# Altium PCB 400484.PcbDoc (part 4 of 5) (continued)
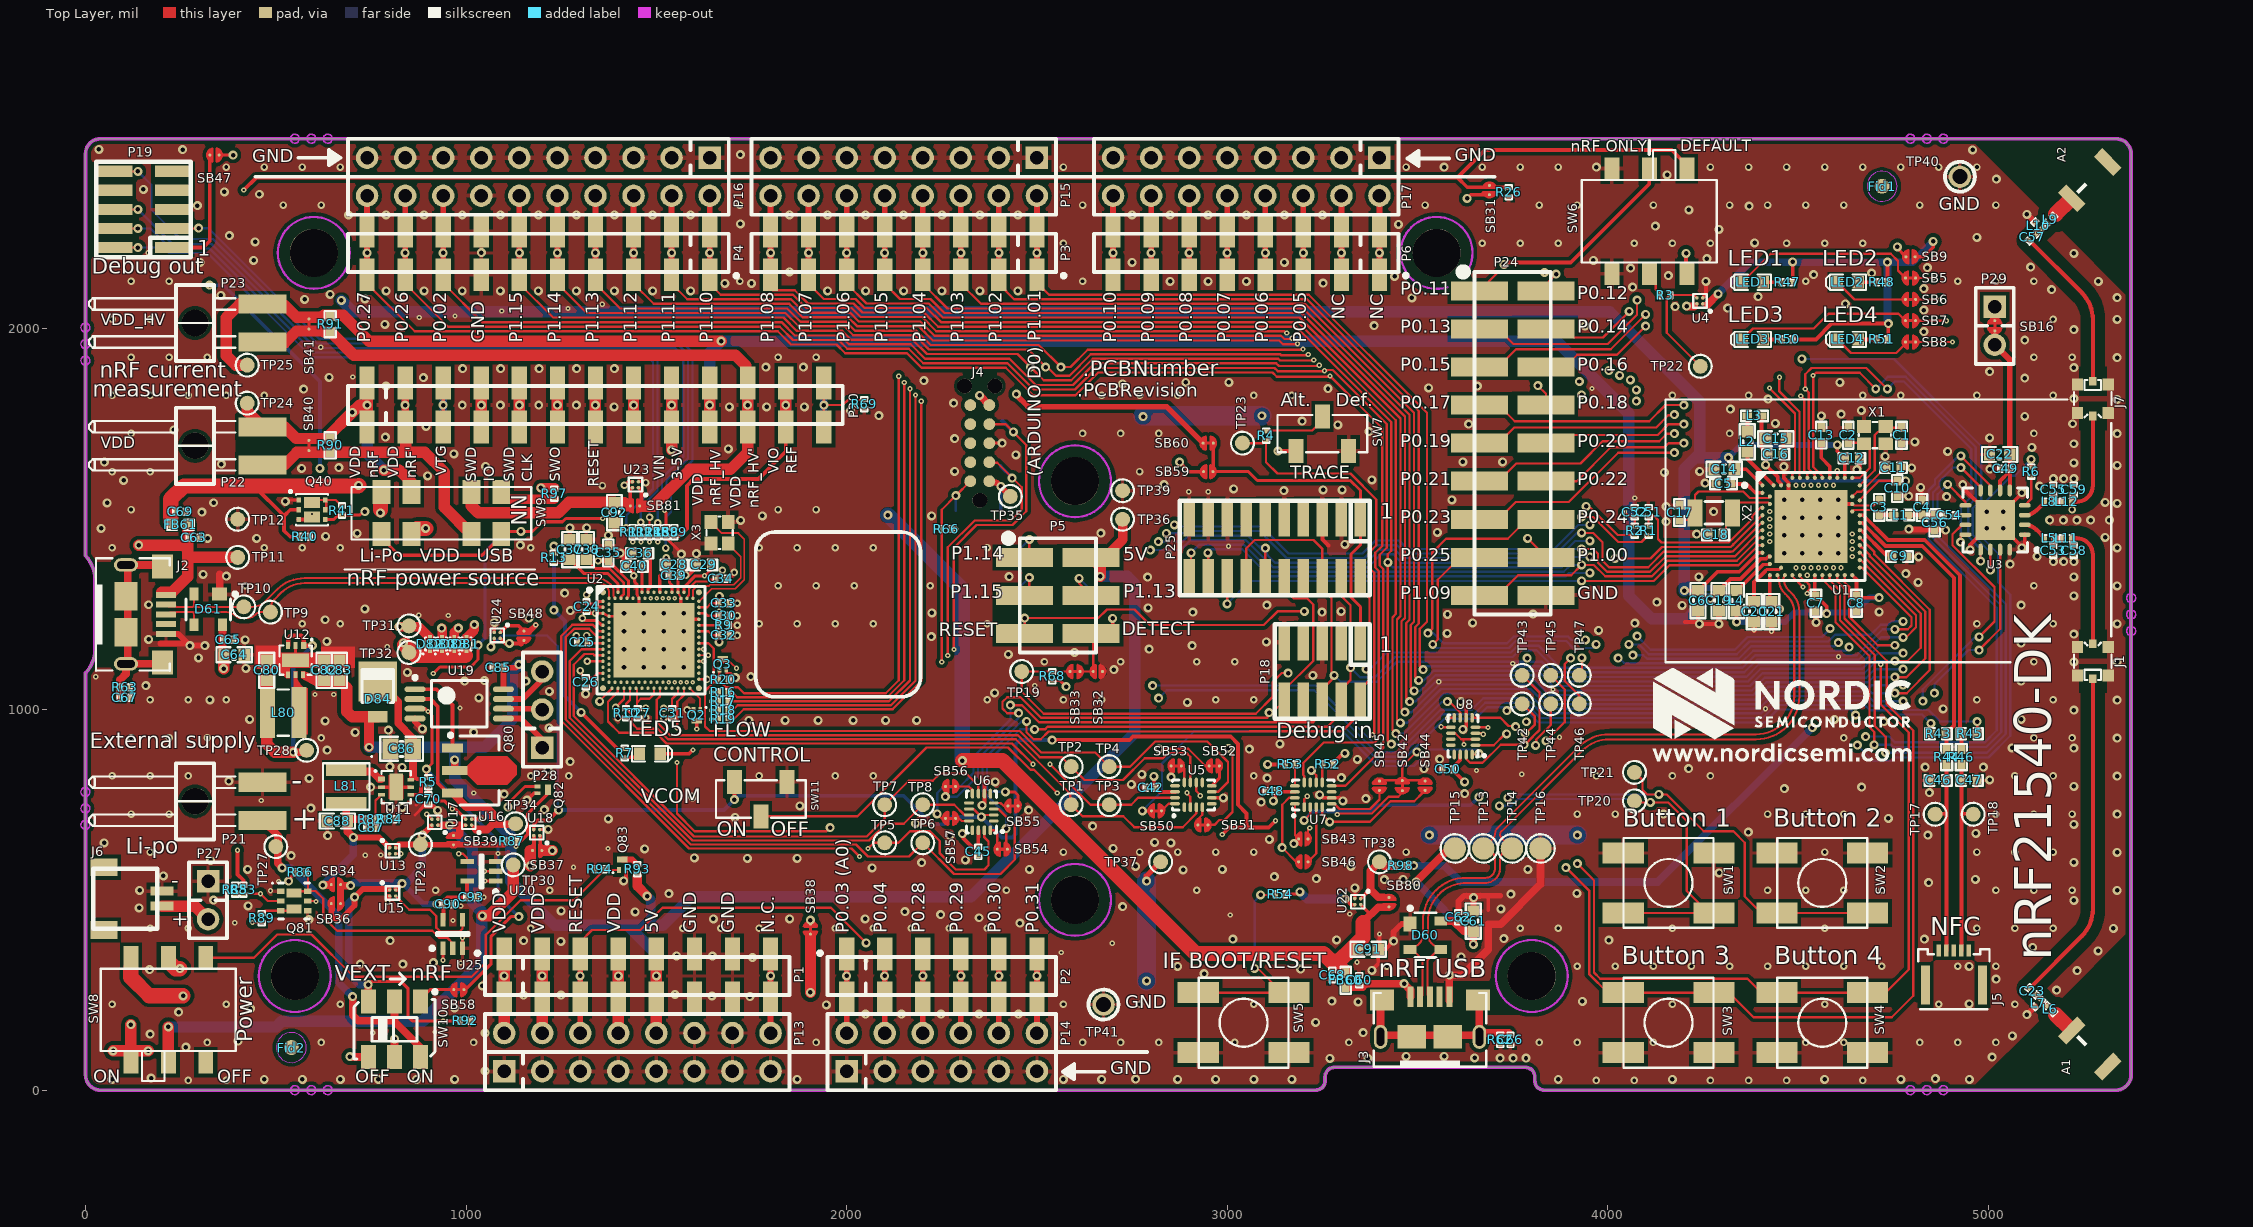
[diagram p0: Top Layer view]
## Nets (pads, with @x,y where several pads share a name; then routed paths per layer and width w, separated by ;. In a path a pad name is that pad's centre, name@x,y a point inside that pad or via, vN(x,y) a via of type N, cw(c..) or ccw(c..) an arc to the next point about the centre after c; other vN are vias at no path point) (continued)
  Top Layer w15: P14.8@2300,150 P2.4@2300,242.32 v1(2300,300) P2.4@2300,357.68
  Mid-Layer 1 w6: v1(4059,1866.3) 4065.7,1873 v3(4450.79,1873)
  Mid-Layer 2 w6: v1(2300,300) 2333,333 2513.67,333 2526.08,320.59 2727.97,320.59 2850.37,443 3501.97,443 3794.33,735.36 3794.33,857.21 3834.63,897.51 3834.63,914.63 v1(3838,918) 3851,931 3851,1066.48 3881,1096.48 3881,1187.12 4037,1343.12 4037,1343.25 4051.81,1358.06 4051.81,1410.59 4042,1420.4 4042,1849.3 v1(4059,1866.3)
  Bottom Layer w15: P8.4@2300,242.32 v1(2300,300) P8.4@2300,380
P0.30/AIN6: P2.5 P8.5 P14.10 TP46.1 U1.B9 | length 3986.5
  Top Layer w6: v1(3902,1135) 3887,1120 3887,1075 3925,1037 TP46.1@3925,1015
  Top Layer w15: P14.10@2400,150 P2.5@2400,242.32 v1(2400,300) P2.5@2400,357.68
  Mid-Layer 1 w6: v1(4075,1840.3) 4095.79,1861.09 4431.49,1861.09 4463.09,1829.49 4463.09,1730.93 4494.63,1699.4 v3(4494.63,1589.27)
  Mid-Layer 2 w6: v1(2400,300) 2421,321 2508.7,321 2521.11,308.59 2732.94,308.59 2855.34,431 3510,431 3806.33,727.33 3806.33,852.24 3863,908.91 3863,1061.51 3902,1100.51 v1(3902,1135) 3902,1191.15 4063.72,1352.86 4063.72,1415.52 4054,1425.24 4054,1822.86 4076.44,1845.3 v1@4081,1845.3
  Bottom Layer w15: P8.5@2400,242.32 v1(2400,300) P8.5@2400,380
P0.31/AIN7: P2.6 P8.6 P14.12 TP47.1 U1.A8 | length 3701.2
  Top Layer w6: TP47.1@3925,1090 3932,1097 v1(3932,1136) ; v3@4427,1842.56 4491.82,1777.74 4491.82,1624.25 4484.79,1617.22 U1.A8@4484.79,1608.95
  Top Layer w15: P14.12@2500,150 P2.6@2500,242.32 v1(2500,300) P2.6@2500,357.68
  Mid-Layer 1 w6: v1@4081,1815.3 4114.7,1849 4423,1849 v3@4427,1845
  Mid-Layer 2 w6: v1(2500,300) 2503.41,296.59 2737.91,296.59 2860.31,419 3514.97,419 3818.33,722.36 3818.33,847.27 3875,903.94 3875,1056.54 3932,1113.54 v1(3932,1136) 3932,1154.91 3920.09,1166.81 3920.09,1192.27 4049.91,1322.09 4049.91,1322.22 4075.62,1347.93 4075.62,1809.68 v1(4075,1810.3) ; v1@4078.5,1812.8 v1@4081,1815.3
  Bottom Layer w15: P8.6@2500,242.32 v1(2500,300) P8.6@2500,357.68
  other v3: 4425,1845
P1.00: P18.6 P24.16 P25.6 P25.14 SB57.1 U1.AD22 | length 4213.2
  Top Layer w6: v1(2238,726) 2250,714 2252.83,714 SB57.1@2259.7,714 ; v1(2430.42,1011.58) 2460.53,1011.58 2505.43,966.68 3225.68,966.68 3250,991 P18.6@3250,1023.23 3250,1054.04 3273.96,1078 3273.96,1293.04 3250,1317 P25.6@3250,1348.23 3250,1422 3226.47,1445.53 3072.53,1445.53 3050,1423 P25.14@3050,1348.23 ; v1(3789,1450) P24.16@3837.5,1401.5 ; U1.AD22@4622.58,1353.05 4622.58,1334.33 4634,1322.91 4634,1244.39 4709.39,1169 v1(4754,1169)
  Mid-Layer 2 w6: v1(3788,1135) 3779,1144 3779,1440 v1(3789,1450)
  Bottom Layer w6: v1(2238,726) 2238,780.97 2251.64,794.62 2294.62,794.62 2333.04,833.04 2333.04,876.01 2430.64,973.61 2430.64,1011.36 v1(2430.42,1011.58) ; v1(3280.98,1089.98) 3297.96,1073 3393,1073 3446,1126 3778,1126 ; v1(3788,1135) 3797,1126 3825.93,1126 3866.12,1085.81 4174,1085.81 4174.09,1085.91 4363.51,1085.91 4396.71,1119.11 4663.93,1119.11 4713.82,1169 v1(4754,1169)
P1.01: P3.1 P9.1 P15.2 U1.Y23 | length 3904.8
  Top Layer w6: P3.1@2500,2142.32 2500,2122 2532,2090 3214.28,2090 3524.61,1779.67 3524.61,1230.61 3506,1212 3506,1114 v1(3515,1105)
  Top Layer w15: P3.1@2500,2142.32 v1(2500,2200) P3.1@2500,2257.68 P15.2@2500,2350
  Mid-Layer 1 w6: v3(4642.27,1402.26) 4651.74,1402.26 4826,1228 4826,1170 4804,1148 v1(4776,1148)
  Bottom Layer w6: v1(3515,1105) 3524,1114 3821.1,1114 3861.19,1073.91 4239.91,1073.91 4240,1074 4368.44,1074 4401.64,1107.2 4668.86,1107.2 4709.65,1148 v1(4776,1148)
  Bottom Layer w15: P9.1@2500,2118.4 v1(2500,2200) P9.1@2500,2257.68
P1.02: P3.2 P9.2 P15.4 U1.W24 | length 4007.2
  Top Layer w6: P3.2@2400,2142.32 2400,2118 2440,2078 3209.44,2078 3503,1784.44 3503,1225.97 3494,1216.97 3494,1086 v1(3503,1077) ; U1.W24@4661.95,1412.1 4662.65,1412.1 4676.37,1398.39 4676.37,1398.21 4821.99,1252.58 4821.99,1162.54 4786.45,1127 v1(4754,1127)
  Top Layer w15: P3.2@2400,2142.32 v1(2400,2200) P3.2@2400,2257.68 P15.4@2400,2350
  Bottom Layer w6: v1(3503,1077) 3516.7,1077 3541.7,1102 3816.26,1102 3856.26,1062 4373.28,1062 4406.57,1095.3 4673.79,1095.3 4705.49,1127 v1(4754,1127)
  Bottom Layer w15: P9.2@2400,2142.32 v1(2400,2200) P9.2@2400,2257.68
P1.03: P3.3 P9.3 P15.6 U1.V23 | length 4209.6
  Top Layer w6: P3.3@2300,2142.32 2300,2119 2353,2066 3204.61,2066 3491,1779.61 3491,1230.94 3482,1221.94 3482,1058 v1(3491,1049)
  Top Layer w15: P3.3@2300,2142.32 v1(2300,2200) P3.3@2300,2257.68 P15.6@2300,2350
  Mid-Layer 1 w6: v3(4642.27,1421.94) 4649.03,1421.94 4838,1232.97 4838,1125 4819,1106 v1(4776,1106)
  Bottom Layer w6: v1(3491,1049) 3506,1049 3547,1090 3811.42,1090 3851.42,1050 4378.11,1050 4411.51,1083.39 4678.72,1083.39 4701.33,1106 v1(4776,1106)
  Bottom Layer w15: P9.3@2300,2142.32 v1(2300,2200) P9.3@2300,2257.68
P1.04: P3.4 P9.4 P15.8 U1.U24 | length 4334.8
  Top Layer w6: P3.4@2200,2142.32 2200,2119 2265,2054 3199.77,2054 3479,1774.77 3479,1235.91 3470,1226.91 3470,1030 v1(3479,1021) ; U1.U24@4661.95,1431.79 4661.95,1429.41 4664.85,1426.52 4667.92,1426.52 4688.37,1406.07 4688.37,1403.18 4833.99,1257.55 4833.99,1134.19 4784.8,1085 v1(4754,1085)
  Top Layer w15: P3.4@2200,2142.32 v1(2200,2200) P3.4@2200,2257.68 P15.8@2200,2350
  Bottom Layer w6: v1(3479,1021) 3495,1021 3552,1078 3806.59,1078 3846.59,1038 4382.95,1038 4416.44,1071.49 4683.65,1071.49 4697.16,1085 v1(4754,1085)
  Bottom Layer w15: P9.4@2200,2142.32 v1(2200,2200) P9.4@2200,2257.68
P1.05: P3.5 P9.5 P15.10 U1.T23 | length 4531.7
  Top Layer w6: P3.5@2100,2142.32 2100,2119 2140.07,2078.93 2220.49,2078.93 2257.42,2042 3194.93,2042 3467,1769.93 3467,1240.88 3458,1231.88 3458,1221 3458,1057 3458,1002 v1(3467,993)
  Top Layer w15: P3.5@2100,2142.32 v1(2100,2200) P3.5@2100,2257.68 P15.10@2100,2350
  Mid-Layer 1 w6: v3(4642.27,1441.63) 4646.31,1441.63 4711.97,1375.97 4712.06,1375.97 4806,1282.03 4806,1281.94 4850,1237.94 4850,1101.97 4812.03,1064 v1(4776,1064)
  Bottom Layer w6: v1(3467,993) 3483.97,993 3556.97,1066 3801.75,1066 3841.75,1026 4387.79,1026 4421.37,1059.58 4688.58,1059.58 4693,1064 v1(4776,1064)
  Bottom Layer w15: P9.5@2100,2142.32 v1(2100,2200) P9.5@2100,2257.68
P1.06: P3.6 P9.6 P15.12 U1.R24 | length 4665.3
  Top Layer w6: P3.6@2000,2142.32 2000,2119 2051.98,2067.02 2215.56,2067.02 2252.58,2030 3190.1,2030 3455,1765.1 3455,1245.85 3446,1236.85 3446,1225.97 3446,1225 3446,1056 3446,974 v1(3455,965) ; U1.R24@4661.95,1451.47 4662.65,1451.47 4700.37,1413.76 4700.37,1408.15 4845.99,1262.52 4845.99,1103.87 4785.13,1043 v1(4754,1043)
  Top Layer w15: P3.6@2000,2142.32 v1(2000,2200) P3.6@2000,2257.68 P15.12@2000,2350
  Bottom Layer w6: v1(3455,965) 3472.94,965 3561.94,1054 3796.91,1054 3836.91,1014 4392.62,1014 4426.3,1047.68 4689.23,1047.68 4693.91,1043 v1(4754,1043)
  Bottom Layer w15: P9.6@2000,2142.32 v1(2000,2200) P9.6@2000,2257.68
P1.07: P3.7 P9.7 P15.14 U1.P23 U8.3 | length 5121.1
  Top Layer w6: P3.7@1900,2142.32 1900,2119 1940,2079 2023.03,2079 2046.91,2055.12 2210.63,2055.12 2247.75,2018 3185.26,2018 3443,1760.26 3443,1250.82 3434,1241.82 3434,1230.94 3434,1220.03 3434,946 v1(3443,937) ; U8.3@3652.48,937.87 3669.13,937.87 v3@3673,934
  Top Layer w15: P3.7@1900,2142.32 v1(1900,2200) P3.7@1900,2257.68 P15.14@1900,2350
  Mid-Layer 1 w6: v1(3443,937) 3456,924 3663,924 v3@3673,934 ; v3(4642.27,1461.31) 4645.05,1461.31 4862,1244.37 4862,1090.35 4793.65,1022 v1(4776,1022)
  Bottom Layer w6: v1(3443,937) 3464,937 3569,1042 3792.08,1042 3832.17,1001.91 4188.91,1001.91 4189,1002 4397.46,1002 4431.23,1035.77 4684.04,1035.77 4693.84,1025.97 4693.97,1025.97 4697.94,1022 v1(4776,1022)
  Bottom Layer w15: P9.7@1900,2142.32 v1(1900,2200) P9.7@1900,2257.68
  other v3: 3673,935
P1.08: P3.8 P9.8 P15.16 U1.P2 U8.7 | length 4311.2
  Top Layer w6: P3.8@1800,2142.32 1800,2108 1806,2102 1863.73,2102 1898.73,2067 2018.19,2067 2041.98,2043.21 2203.37,2043.21 2240.59,2006 3180.42,2006 3431,1755.42 3431,1417.32 3422,1408.32 v1(3422,1387) 3422,1235.91 3422,1215.06 3422,918 v1(3431,909) ; v1(3578.13,1020.87) 3583.21,1020.87 3612.13,991.95 U8.7@3612.13,978.23
  Top Layer w15: P3.8@1800,2142.32 v1(1800,2200) P3.8@1800,2257.68 P15.16@1800,2350
  Mid-Layer 1 w6: v1(3953,1401) 3983.09,1370.91 4043.91,1370.91 4076,1403 4332.79,1403 4391.1,1461.31 v3(4425.73,1461.31)
  Bottom Layer w6: v1(3422,1387) 3435,1374 3879.18,1374 3906.18,1401 v1(3953,1401) ; v1(3431,909) 3452.36,909 3464.36,921 3464.97,921 3563.84,1019.87 v1@3578.13,1019.87
  Bottom Layer w15: P9.8@1800,2142.32 v1(1800,2200) P9.8@1800,2257.68
P1.09: P24.17 P25.20 U1.R1 | length 2008.8
  Top Layer w5.91: 4333,1391 4338.68,1391 4399.16,1451.47 U1.R1@4406.05,1451.47
  Top Layer w6: P25.20@2900,1315 P25.20@2900,1348.23 2905,1353.23 v1(2905,1412) ; P24.17@3662.5,1300 3711,1300 3764,1353 3904,1353 v1(3931,1380) 3963,1380 3993,1350 4116,1350 4157,1391 4333,1391
  Bottom Layer w6: v1@2900,1407 v1(2905,1412) 2926,1433 3044.33,1433 3115.33,1362 3884.15,1362 3902.15,1380 v1(3931,1380)
P1.10: P4.1 P10.1 P16.2 U1.A20 | length 3743.9
  Top Layer w6: P4.1@1640,2142.32 1640,2119 1669,2090 1858.76,2090 1893.76,2055 2013.36,2055 2037.05,2031.31 2198.44,2031.31 2235.75,1994 3149.89,1994 3154.33,1989.57 v3(3156.43,1989.57) ; U1.A20@4602.9,1608.95 v3(4602.9,1628)
  Top Layer w15: P4.1@1640,2142.32 v1(1640,2200) P4.1@1640,2257.68 P16.2@1640,2350
  Mid-Layer 1 w6: v3(3156.43,1989.57) 3158.15,1991.29 3228.1,1991.29 3235.34,1984.04 4535.23,1984.04 4579.82,1939.45 4579.82,1820.05 4539.82,1780.05 4539.82,1756.89 4566.06,1730.64 4566.06,1649.91 4587.97,1628 v3(4602.9,1628)
  Bottom Layer w15: P10.1@1640,2142.32 v1(1640,2200) P10.1@1640,2257.68
P1.11: P4.2 P10.2 P16.4 U1.B19 | length 3842.3
  Top Layer w6: P4.2@1540,2142.32 1540,2119 1581,2078 1853.79,2078 1888.79,2043 2008.52,2043 2032.12,2019.4 2193.51,2019.4 2230.91,1982 3141.53,1982 3149.85,1973.68 3168.88,1973.68 v3(3170.6,1975.4)
  Top Layer w15: P4.2@1540,2142.32 v1(1540,2200) P4.2@1540,2257.68 P16.4@1540,2350
  Mid-Layer 1 w6: v3(3170.6,1975.4) 3172.32,1977.12 3225.3,1977.12 3230.28,1972.13 4530.3,1972.13 4567.82,1934.61 4567.82,1825.02 4527.82,1785.02 4527.82,1752.05 4554.16,1725.71 4554.16,1644.84 4593.05,1605.95 v3(4593.05,1589.27)
  Bottom Layer w15: P10.2@1540,2142.32 v1(1540,2200) P10.2@1540,2257.68
P1.12: P4.3 P10.3 P16.6 U1.B17 | length 3924.3
  Top Layer w6: P4.3@1440,2142.32 1440,2119 1493,2066 1848.82,2066 1883.82,2031 2003.68,2031 2027.19,2007.5 2188.58,2007.5 2226.08,1970 3136.56,1970 3147.05,1959.51 3183.05,1959.51 v3(3184.77,1961.23)
  Top Layer w15: P4.3@1440,2142.32 v1(1440,2200) P4.3@1440,2257.68 P16.6@1440,2350
  Mid-Layer 1 w6: v3(3184.77,1961.23) 3186.49,1962.95 3222.63,1962.95 3225.35,1960.23 4525.36,1960.23 4555.82,1929.77 4555.82,1829.99 4515.82,1789.99 4515.82,1747.22 4542.25,1720.78 4542.25,1639.78 4573.37,1608.66 v3(4573.37,1589.27)
  Bottom Layer w15: P10.3@1440,2142.32 v1(1440,2200) P10.3@1440,2257.68
P1.13: P4.4 P5.4 P10.4 P11.4 P16.8 U1.A16 U3.13 | length 5655.9
  Top Layer w6: P4.4@1340,2142.32 1340,2119 1405,2054 1843.85,2054 1878.85,2019 1998.85,2019 2022.25,1995.59 2183.65,1995.59 2221.24,1958 2505,1958 v1(2563,1900) 2588.01,1900 2633.34,1945.34 3197.22,1945.34 v3(3198.94,1947.06) ; v1(2611,1345) 2611,1331.5 P5.4@2642.5,1300 ; U1.A16@4563.53,1608.95 4563.53,1613.47 4539.82,1637.18 4539.82,1877.18 v3(4539,1878) 4539.91,1878 4546.75,1884.84 4661.74,1884.84 v1(4703.97,1842.61) ; v1@4979.33,1383.05 U3.13@4979.33,1420.28
  Top Layer w15: P4.4@1340,2142.32 v1(1340,2200) P4.4@1340,2257.68 P16.8@1340,2350
  Mid-Layer 1 w6: v3(3198.94,1947.06) 3200.43,1948.55 3206.43,1948.55 3206.57,1948.68 3219.79,1948.68 3220.15,1948.32 4520.43,1948.32 4539,1929.76 v3(4539,1878)
  Mid-Layer 2 w6: v1(2563,1900) 2537.4,1874.4 2537.4,1758.6 2493.61,1714.8 2493.61,1471.5 2611,1354.11 v1(2611,1345)
  Bottom Layer w6: v1(2611,1345) 2656,1300 P11.4@2666.22,1300 ; v1(4703.97,1842.61) 4735.47,1874.11 4782.49,1874.11 4966.87,1689.73 4966.87,1554.26 4946.76,1534.15 4946.76,1454.7 4979.33,1422.13 v1(4979.33,1389.76)
  Bottom Layer w15: P10.4@1340,2142.32 v1(1340,2200) P10.4@1340,2257.68
P1.14: P4.5 P5.1 P10.5 P11.1 P16.10 U1.B15 U3.14 | length 5710.9
  Top Layer w6: P4.5@1240,2142.32 1240,2119 1317,2042 1838.88,2042 1873.88,2007 1994.01,2007 2017.32,1983.69 2178.72,1983.69 2216.4,1946 2477,1946 v1(2523,1900) 2527.14,1900 2550.14,1877 2585.24,1877 2641.68,1933.43 3139.18,1933.43 3141.45,1931.17 3211.39,1931.17 v3(3213.11,1932.89) ; P5.1@2467.5,1400 2480,1412.5 v1(2480,1447) ; v1(5004.92,1366.14) U3.14@5004.92,1420.28
  Top Layer w15: P4.5@1240,2142.32 v1(1240,2200) P4.5@1240,2257.68 P16.10@1240,2350
  Mid-Layer 1 w6: v3(3213.11,1932.89) 3214.6,1934.38 3220.6,1934.38 3222.64,1936.42 4494.68,1936.42 v1(4509.84,1921.26) 4509.84,1917.69 4522.91,1904.62 4522.91,1865.87 4537.47,1851.31 4537.47,1828.62 4503.82,1794.96 4503.82,1742.38 4530.35,1715.85 4530.35,1634.71 4553.68,1611.37 v3(4553.68,1589.27)
  Mid-Layer 2 w6: v1(2480,1447) 2480,1718.03 2523,1761.03 v1(2523,1900)
  Bottom Layer w6: P11.1@2420.18,1400 P11.1@2443.78,1400 2443.78,1410.78 v1(2480,1447) ; v1(4509.84,1921.26) 4752.18,1921.26 4981.3,1692.14 4981.3,1551.86 4958.66,1529.22 4958.66,1459.64 5004.92,1413.38 v1(5004.92,1366.14)
  Bottom Layer w15: P10.5@1240,2142.32 v1(1240,2200) P10.5@1240,2257.68
P1.15: P4.6 P5.3 P10.6 P11.3 P16.12 U1.A14 U3.12 | length 5740.3
  Top Layer w6: P4.6@1140,2142.32 1140,2119 1229,2030 1833.91,2030 1868.91,1995 1988.24,1995 2011.5,1971.74 2173.26,1971.74 2211,1934 2449,1934 v1(2483,1900) 2518,1865 2586.68,1865 2586.77,1865.09 2590.17,1865.09 2646.61,1921.53 3134.12,1921.53 3138.65,1917 3225.56,1917 v3(3227.28,1918.72) ; P5.3@2467.5,1300 2480,1312.5 v1(2480,1347) ; U1.A14@4543.84,1608.95 4543.84,1616.16 4527.82,1632.18 4527.82,1833.18 v3(4519,1842) 4519,1881.2 4535.29,1897.5 4679.27,1897.5 v1(4734.25,1842.52) ; v1@4927.17,1438.98 v1(4927.17,1439.96) 4927.17,1456.69 4927.43,1456.96 4931.73,1456.96 4934.42,1459.65 U3.12@4939.96,1459.65
  Top Layer w15: P4.6@1140,2142.32 v1(1140,2200) P4.6@1140,2257.68 P16.12@1140,2350
  Mid-Layer 1 w6: v3(3227.28,1918.72) 3233.07,1924.51 4474.32,1924.51 4511,1887.83 4511,1850.86 v3@4519,1842.86
  Mid-Layer 2 w6: v1(2480,1347) 2480,1417.3 2459,1438.3 2459,1459.41 2468.09,1468.5 2468.09,1722.97 2509.84,1764.71 2509.84,1873.16 v1(2483,1900)
  Bottom Layer w6: P11.3@2443.78,1300 2443.78,1310.78 v1(2480,1347) ; v1(4734.25,1842.52) 4753.94,1862.2 4777.56,1862.2 4954.96,1684.8 4954.96,1559.19 4927.17,1531.4 v1(4927.17,1439.96)
  Bottom Layer w15: P10.6@1140,2142.32 v1(1140,2200) P10.6@1140,2257.68
RESET_PIN: P1.3 P5.5 P7.3 P11.5 P13.6 SB43.2 SB44.1 U7.4 | length 4528.4
  Top Layer w6: P1.3@1300,357.68 1300,390 1331,421 1457.6,421 1516,479.4 1958.6,479.4 v1(2051,387) ; P5.5@2467.68,1200.18 v1(2467.68,1240.4) 2661.4,1240.4 2684,1263 2756,1263 2797,1222 3096,1222 3132,1258 v1(3203,1258) ; SB43.2@3212.3,660 3212.3,673.9 3212.3,683.3 v3@3218,689 ; U7.4@3249.62,743.52 3249.62,724.38 v1(3269,705) 3374.94,705 3428.79,758.85 3491.15,758.85 3514.14,781.84 SB44.1@3520,787.7 ; SB44.1@3518.35,789.35 3522,793
  Top Layer w15: P13.6@1300,150 P1.3@1300,242.32 v1(1300,300) P1.3@1300,357.68
  Mid-Layer 1 w6: v3@3218,689 3234,705 v1(3269,705)
  Mid-Layer 2 w6: v1(2051,387) 2057,381 2533.55,381 2545.96,368.59 2708.08,368.59 2830.49,491 3257,491 3269,503 v1(3269,705) 3269,850.7 3259.98,859.72 3259.98,1201.02 v1(3203,1258)
  Bottom Layer w6: P11.5@2467.68,1200 v1(2467.68,1240.4)
  Bottom Layer w15: P7.3@1300,242.32 v1(1300,300) P7.3@1300,357.68
  other v3: 3217,689
RF: C4.2 C54.1 C56.1 L1.2 | length 98.4
  Top Layer w10.98: L1.2@4787.9,1511.21 4788.11,1511 4825.25,1511 C4.2@4825.6,1511.35 ; C4.2@4825.6,1511 C56.1@4859.25,1510.83 C54.1@4886.02,1510.83
RF_O1: C58.2 J1.1 L11.2 | length 337.2
  Top Layer w10.98: L11.2@5217.52,1450.24 5224.41,1450.24 ; C58.2@5224.41,1429.13 5224.41,1450.24 ; J1.1@5274.41,1172.64 5274.41,1407.48 ccw(c5231.65,1407.48) 5231.65,1450.24 5224.41,1450.24
RF_O1_SW: C23.2 J1.3 | length 879.1
  Top Layer w10.98: C23.2@5107.84,267.35 5245.12,404.63 ccw(c5174.41,475.34) 5274.41,475.34 J1.3@5274.41,1081.75
RF_O2: C59.2 J7.1 L12.2 | length 285.3
  Top Layer w10.98: L12.2@5217.52,1545.83 5224.41,1545.83 ; C59.2@5224.41,1566.67 5224.41,1545.83 ; J7.1@5274.41,1771.72 J7.1@5274.41,1771.26 5274.41,1588.59 cw(c5231.65,1588.59) 5231.65,1545.83 5224.41,1545.83
RF_O2_SW: C57.2 J7.3 | length 434.7
  Top Layer w10.98: C57.2@5107.84,2232.65 5245.12,2095.37 cw(c5174.41,2024.66) 5274.41,2024.66 J7.3@5274.41,1862.6
SCL: P4.10 P10.10 P16.20 R2.1 U7.12 | length 5502.2
  Top Layer w6: P4.10@740,2142.32 740,2119 865,1994 1819,1994 1854,1959 1973.32,1959 1996.3,1936.02 2158.46,1936.02 2196.49,1898 2417.94,1898 2490.16,1825.79 2601.38,1825.79 2661.4,1885.81 3118.92,1885.81 3130.24,1874.49 3268.07,1874.49 v3(3269.79,1876.21) ; U7.12@3202.38,808.48 3202.38,825.62 3199.5,828.5 3199.5,859.5 3253.39,913.39 3387.39,913.39 3398,924 3398,1364.33 3389,1373.33 3389,1411.97 3407,1429.97 3407,1739 v3@3269.83,1876.17 ; v1(3943,1534) 3950.67,1534 4025.89,1458.78 R2.1@4071,1458.78
  Top Layer w15: P4.10@740,2142.32 v1(740,2200) P4.10@740,2257.68 P16.20@740,2350
  Mid-Layer 1 w6: v3(3269.79,1876.21) 3281.57,1888 3869,1888 3930,1827 v1(3931,1827)
  Mid-Layer 2 w6: v1(3931,1827) 3941,1827 3952,1816 3952,1761.87 3970,1743.87 3970,1561 v1(3943,1534)
  Bottom Layer w15: P10.10@740,2142.32 v1(740,2200) P10.10@740,2257.68
SDA: P4.9 P10.9 P16.18 R1.1 U7.8 | length 5483.2
  Top Layer w6: P4.9@840,2142.32 840,2119 953,2006 1823.97,2006 1858.97,1971 1978.3,1971 2001.37,1947.93 2163.4,1947.93 2201.33,1910 2419.62,1910 2419.71,1909.91 2422.88,1909.91 2491.69,1841.09 2492.85,1841.09 2492.94,1841 2599.75,1841 2656.47,1897.72 3123.99,1897.72 3133.04,1888.66 3253.9,1888.66 3257.11,1891.87 3262.61,1891.87 3262.84,1892.1 3277.48,1892.1 3419,1750.59 3419,1425 3401,1407 3401,1378.3 3410,1369.3 3410,899.03 3310.59,799.62 U7.8@3274.23,799.62 ; v1(3931,1506) 3961.7,1506 4027.66,1440.04 4088.26,1440.04 4104.09,1455.87 4104.09,1456.46 4106.41,1458.78 R1.1@4107,1458.78
  Top Layer w15: P4.9@840,2142.32 v1(840,2200) P4.9@840,2257.68 P16.18@840,2350
  Mid-Layer 1 w6: v3(3255.62,1890.38) 3265.24,1900 3887,1900 v1(3925,1862)
  Mid-Layer 2 w6: v1(3925,1862) 3932.75,1862 3964,1830.75 3964,1766.84 3982,1748.84 3982,1540.07 3947.93,1506 v1(3931,1506)
  Bottom Layer w15: P10.9@840,2142.32 v1(840,2200) P10.9@840,2257.68
SHIELD_DETECT: R68.1 SB33.2 TP19.1 U7.10 | length 1311.5
  Top Layer w6: SB33.2@2586.7,1100 2540.32,1100 2540,1099.68 2539.68,1100 TP19.1@2460,1100 2460,1047 2517.8,989.2 3075.2,989.2 3119,1033 3119,1072 3143,1096 v1(3160,1096) ; v1(3221,840) 3233.87,827.13 U7.10@3233.87,808.48
  Mid-Layer 2 w6: v1(3160,1096) 3247.98,1008.02 3247.98,866.98 v1(3221,840)
SWD0_CLK: R12.1 U2.B18 | length 180
  Top Layer w6: v4(1459.82,1440.31) R12.1@1459.82,1455.09
  Mid-Layer 1 w4.92: v4(1459.82,1440.31) 1470.99,1429.14 1470.99,1381.3 1501.53,1350.76 v6(1501.53,1292.39)
SWD0_IO: R11.1 U2.B16 | length 182.6
  Top Layer w6: v4(1437.82,1440.31) R11.1@1437.82,1455.09
  Mid-Layer 1 w4.92: v4(1437.82,1440.31) 1460.16,1417.97 1460.16,1376.27 1485.78,1350.66 v6(1485.78,1292.39)
SWD0_RESET: R15.1 U2.B22 | length 183.6
  Top Layer w6: v4(1503.82,1440.31) R15.1@1503.82,1455.09
  Mid-Layer 1 w4.92: v4(1503.82,1440.31) 1493.15,1429.65 1493.15,1391.03 1533.02,1351.16 v6(1533.02,1292.39)
SWD0_SEL: P19.3 U2.B24 | length 2201.2
  Top Layer w6: P19.3@229.76,2264 v1@297.24,2264
  Mid-Layer 1 w4.92: v2(1524.61,1424.21) 1505.23,1404.84 1505.23,1395.46 1548.77,1351.92 v6(1548.77,1292.39)
  Bottom Layer w6: v1(297.24,2264.76) 323.53,2264.76 614.29,1974 1558.94,1974 1558.94,1973.87 1594.81,1938 1594.81,1654.5 1538.72,1598.4 1538.72,1518.94 1524.61,1504.83 v2(1524.61,1424.21)
SWD0_SWO: R14.1 U2.B20 | length 177.4
  Top Layer w6: v4(1481.82,1440.31) R14.1@1481.82,1455.09
  Mid-Layer 1 w4.92: v4(1481.82,1440.31) 1481.82,1386.7 1517.28,1351.24 v6(1517.28,1292.39)
SWD1_CLK: R17.1 U2.AK28 | length 109.8
  Top Layer w4.92: v4(1645.59,1021.65) R17.1@1664.37,1021.65
  Mid-Layer 1 w4.92: v6(1580.27,1071.92) 1580.62,1071.57 1580.62,1063.32 1622.29,1021.65 v4(1645.59,1021.65)
SWD1_IO: R16.1 U2.AK30 | length 79.4
  Top Layer w4.92: v4(1645.59,1045.32) R16.1@1664.37,1045.32
  Mid-Layer 1 w4.92: v6(1596.02,1071.92) 1622.62,1045.32 v4(1645.59,1045.32)
SWD1_RESET: R19.1 U2.AK24 | length 163
  Top Layer w4.92: v4(1645.59,974.32) R19.1@1664.37,974.32
  Mid-Layer 1 w4.92: v6(1548.77,1071.92) 1550.07,1070.62 1550.07,1058.63 1632.69,976.02 1643.9,976.02 v4(1645.59,974.32)
SWD1_SEL: Q3.3 U2.AK22 | length 263.6
  Top Layer w4.92: 1674.58,1123.44 1695.45,1123.44 v4(1710.63,1108.27)
  Mid-Layer 1 w4.92: v6(1533.02,1071.92) 1533.32,1072.22 1533.32,1080.57 1541.28,1088.53 1600.52,1088.53 1629.11,1059.94 1639.66,1059.94 1687.99,1108.27 v4(1710.63,1108.27)
SWD1_SWO: R18.1 U2.AK26 | length 137.8
  Top Layer w4.92: v4(1645.59,997.99) R18.1@1664.37,997.99
  Mid-Layer 1 w4.92: v6(1564.52,1071.92) 1564.95,1071.49 1564.95,1059.07 1625.98,998.03 1645.55,998.03 v4(1645.59,997.99)
SWD3_CLK: TP6.1 U2.R1 U6.3 | length 1889.8
  Top Layer w6: U2.R1@1359.79,1190.03 1345.64,1190.03 1323.68,1211.98 1283.37,1211.98 1261.77,1190.39 1261.77,973.77 1590.17,645.37 2024.48,645.37 2055.85,614 2164,614 TP6.1@2200,650 2282,568 2404,568 2442,606 2442,696 2399.13,738.87 U6.3@2386.48,738.87
SWD3_IO: TP5.1 U2.N1 U6.15 | length 1811.2
  Top Layer w6: U2.N1@1359.79,1205.78 1349.95,1205.78 1333.22,1222.51 1279.01,1222.51 1250,1193.5 1250,970.66 1585.81,634.84 2012.95,634.84 v4(2033.93,613.86) ; v4(2056.1,634.84) 2071.26,650 TP5.1@2100,650 2136.16,650 2166.51,680.35 2218.72,680.35 2245,654.07 2245,621.97 2286.97,580 2362,580 2373,591 2373,653.07 2361.87,664.19 U6.15@2361.87,682.77
  Mid-Layer 1 w6: v4(2033.93,613.86) 2034.52,613.86 2055.5,634.84 v4(2056.1,634.84)
SWD3_RESET: TP7.1 U2.AA1 U6.7 | length 1542.9
  Top Layer w6: U2.AA1@1359.79,1142.79 1359.72,1142.72 1336.61,1142.72 1333.24,1146.09 1311,1146.09 1282.83,1117.92 1282.83,982.92 1599.02,666.72 2052.82,666.72 2100,713.9 TP7.1@2100,750 2163,813 2226,813 2245,832 2314,832 2346.13,799.87 U6.7@2346.13,779.23
SWD3_SWO: TP8.1 U2.W1 U6.11 | length 1482.4
  Top Layer w6: U2.W1@1359.79,1158.54 1303.15,1158.54 1272.3,1127.68 1272.3,978.56 1594.96,655.9 2058.83,655.9 2102.93,700 2150,700 TP8.1@2200,750 2282.79,750 2309.66,723.13 U6.11@2321.52,723.13
SWDCLK: P18.4 P25.4 SB55.1 U1.AA24 | length 3385.9
  Top Layer w6: v1@2416.3,777 2417,777.7 v1(2417,784) ; v1(2494.06,947.94) 2521.05,947.94 2527.79,954.68 3263.68,954.68 3300,991 P18.4@3300,1023.23 3300,1054.04 3323.96,1078 v1(3323.96,1110) 3323.96,1274 3300,1297.96 P25.4@3300,1348.23 ; U1.AA24@4661.95,1392.42 4665.19,1392.42 4809.99,1247.61 4809.99,1215.99 v1@4784,1190
  Top Layer w8: v1(2417,784) 2441,784 2450.3,774.7 2450.3,760.9 SB55.1@2450.3,747
  Bottom Layer w6: v1(2417,784) 2376,784 2368.76,791.24 2368.76,860.81 2456.09,948.15 2493.85,948.15 v1(2494.06,947.94) ; v1(3323.96,1110) 3348.96,1085 3388.03,1085 3441.03,1138 3750,1138 3768,1156 3812.77,1156 3870.96,1097.81 4358.58,1097.81 4391.78,1131.02 4658.99,1131.02 4717.98,1190 v1(4776,1190)
SWDIO: P18.2 P25.2 SB54.1 U1.AC24 | length 3468.6
  Top Layer w6: v1(2419,687) 2419,649.81 2421,647.81 2421,634.3 SB54.1@2422.3,633 ; v1(2472.85,969.15) 2472.85,940.22 2491.06,922 2510,922 2530.49,942.49 3058.34,942.49 3058.53,942.68 3301.68,942.68 3350,991 P18.2@3350,1023.23 3350,1054.04 3373.96,1078 3373.96,1293.04 3350,1317 P25.2@3350,1348.23 ; U1.AC24@4661.95,1372.73 4667.9,1372.73 4797.99,1242.64 4797.99,1220.96 4788.03,1211 v1(4754,1211)
  Bottom Layer w6: v1(2419,687) 2419,724.16 2356.85,786.31 2356.85,865.88 2460.12,969.15 v1(2472.85,969.15) ; v1@3375,1106 3419,1150 3745.03,1150 3763.03,1168 3817.61,1168 3875.89,1109.72 4353.64,1109.72 4386.85,1142.92 4654.06,1142.92 4722.14,1211 v1(4754,1211)
  other v1: 3365,1106
TRACE_SW: R4.1 TP23.1 U8.2 U8.10 | length 1437.3
  Top Layer w6: TP23.1@3040,1700 3093.22,1700 R4.1@3099.09,1705.87 ; R4.1@3102,1708.78 3102,1649.97 3131.89,1620.08 3323.62,1620.08 3391.73,1551.97 3391.73,1431.67 3377,1416.94 3377,1368.36 3386,1359.36 3386,938 v3(3382,934) ; U8.10@3587.52,937.87 3599.13,937.87 3614.87,922.13 3621,922.13 ; v3@3621,910 3621,922.13 ; U8.2@3652.48,922.13 3621,922.13
  Mid-Layer 1 w6: v3(3382,934) 3382,928.3 3422.3,888 3457,888 3481,912 3619,912 v3@3622,909
  other v3: 3622,908
TRX: C54.2 U3.10 | length 31.5
  Top Layer w10.98: C54.2@4908.46,1510.83 U3.10@4939.96,1510.83
U\A\R\T\_\F\C\_\O\F\F\: SW11.2 U5.2 | length 1286.4
  Top Layer w6: SW11.2@1774.61,719.49 2028.54,719.49 2209.59,900.53 2424.27,900.53 2482.81,841.99 2491.96,841.99 v4(2553.18,780.78) ; v4(2894.39,781.62) 2894.39,779.51 2903.13,770.77 U5.2@2903.13,743.52
  Mid-Layer 1 w6: v4(2553.18,780.78) 2553.6,781.2 2893.97,781.2 v4(2894.39,781.62)
USB_DETECT: Q40.3 R26.1 SB31.2 SW6.3 | length 5098.6
  Top Layer w10: v3(416,2365) 449,2398 3605,2398 ; Q40.3@557.6,1499.41 580.41,1499.41 v3(595,1514) ; R26.1@3740,2371.68 3739.45,2372.23 3705.95,2372.23 3705.59,2372.23 3672.41,2372.23 3672.05,2372.23 3630.77,2372.23 3605,2398 ; SW6.3@4207.43,2420.8 4207.43,2430.64 4192.74,2445.32 4168.06,2470 3677,2470 3605,2398
  Mid-Layer 1 w10: v1(326,2115) 341,2115 417.48,2191.48 v3@417.48,2363.52 ; v3@416,2363.52 v3(416,2365) ; v3(595,1514) 616,1535 v1(616,1634)
  Bottom Layer w10: v1(326,2115) 362.98,2115 616,1861.98 v1(616,1634)

## Text inside footprints (layer, text, board x,y; h text height)
U2: Top Component Info "AG1" at 1346.38,1093.97 h3.15; Top Component Info "AJ1" at 1346.38,1078.22 h3.15; Top Component Info "AH2" at 1359.48,1086.09 h3.15; Top Component Info "AK4" at 1387.03,1062.5 h3.15; Top Component Info "AL5" at 1394.64,1046.75 h3.15; Top Component Info "AK2" at 1371.28,1063.52 h3.15; Top Component Info "AL3" at 1378.9,1046.75 h3.15; Top Component Info "V2" at 1362.63,1164.83 h3.15; Top Component Info "U1" at 1349.21,1172.71 h3.15; Top Component Info "Y2" at 1362.63,1149.09 h3.15; Top Component Info "AA1" at 1346.64,1141.21 h3.15; Top Component Info "W1" at 1349.21,1156.96 h3.15; Top Component Info "AD2" at 1359.48,1117.59 h3.15; Top Component Info "AC1" at 1346.38,1125.46 h3.15; Top Component Info "AE1" at 1347.15,1109.72 h3.15; Top Component Info "AB2" at 1359.48,1133.34 h3.15; Top Component Info "H2" at 1362.63,1243.57 h3.15; Top Component Info "J1" at 1349.21,1235.7 h3.15; Top Component Info "G1" at 1349.21,1251.45 h3.15; Top Component Info "M2" at 1362.63,1212.08 h3.15; Top Component Info "L1" at 1348.44,1219.95 h3.15; Top Component Info "P2" at 1362.63,1196.33 h3.15; Top Component Info "R1" at 1349.73,1188.46 h3.15; Top Component Info "N1" at 1349.98,1204.2 h3.15; Top Component Info "K2" at 1362.63,1227.83 h3.15; Top Component Info "D2" at 1362.63,1275.07 h3.15; Top Component Info "E1" at 1349.98,1267.2 h3.15; Top Component Info "C1" at 1349.21,1282.94 h3.15; Top Component Info "B4" at 1388.58,1298.73 h3.15; Top Component Info "A5" at 1396.32,1314.47 h3.15; Top Component Info "B2" at 1373.45,1298.19 h3.15; Top Component Info "AK14" at 1464.61,1062.5 h3.15; Top Component Info "AL13" at 1456.47,1046.75 h3.15; Top Component Info "AK10" at 1433.11,1062.47 h3.15; Top Component Info "AL11" at 1440.73,1046.75 h3.15; Top Component Info "AK12" at 1448.86,1062.5 h3.15; Top Component Info "AK8" at 1418.52,1062.5 h3.15; Top Component Info "AL7" at 1410.39,1046.75 h3.15; Top Component Info "AL9" at 1424.98,1046.75 h3.15; Top Component Info "AL15" at 1472.22,1046.75 h3.15; Top Component Info "B14" at 1466.15,1298.73 h3.15; Top Component Info "A13" at 1458.15,1314.44 h3.15; Top Component Info "B10" at 1434.66,1298.73 h3.15; Top Component Info "B12" at 1450.41,1298.73 h3.15; Top Component Info "B8" at 1420.07,1298.73 h3.15; Top Component Info "A15" at 1473.9,1314.47 h3.15; Top Component Info "AK24" at 1543.35,1062.5 h3.15; Top Component Info "AL23" at 1535.21,1046.75 h3.15; Top Component Info "AL25" at 1550.96,1046.75 h3.15; Top Component Info "AK20" at 1511.85,1062.47 h3.15; Top Component Info "AL21" at 1519.47,1046.75 h3.15; Top Component Info "AK18" at 1496.1,1062.5 h3.15; Top Component Info "AL17" at 1487.97,1046.75 h3.15; Top Component Info "AL19" at 1503.72,1046.75 h3.15; Top Component Info "AK22" at 1527.6,1062.5 h3.15; Top Component Info "B24" at 1544.9,1298.73 h3.15; Top Component Info "A23" at 1536.89,1314.44 h3.15; Top Component Info "A25" at 1552.64,1314.47 h3.15; Top Component Info "B20" at 1513.4,1298.73 h3.15; Top Component Info "A21" at 1521.14,1314.44 h3.15; Top Component Info "B18" at 1497.65,1298.73 h3.15; Top Component Info "A17" at 1489.65,1314.47 h3.15; Top Component Info "A19" at 1505.4,1314.47 h3.15; Top Component Info "B22" at 1529.15,1298.73 h3.15; Top Component Info "AL29" at 1582.46,1046.75 h3.15; Top Component Info "AL27" at 1566.71,1046.75 h3.15; Top Component Info "AK28" at 1574.84,1062.5 h3.15; Top Component Info "AG31" at 1616.58,1093.97 h3.15; Top Component Info "AJ31" at 1616.58,1078.22 h3.15; Top Component Info "AK30" at 1590.59,1062.5 h3.15; Top Component Info "U31" at 1616.58,1172.71 h3.15; Top Component Info "AA31" at 1616.58,1141.21 h3.15; Top Component Info "W31" at 1616.58,1156.96 h3.15; Top Component Info "AC31" at 1616.58,1125.46 h3.15; Top Component Info "AE31" at 1616.58,1109.72 h3.15; Top Component Info "J31" at 1616.58,1235.7 h3.15; Top Component Info "G31" at 1616.58,1251.45 h3.15; Top Component Info "L31" at 1616.58,1219.95 h3.15; Top Component Info "R31" at 1616.58,1188.46 h3.15; Top Component Info "N31" at 1616.58,1204.2 h3.15; Top Component Info "E31" at 1616.58,1267.2 h3.15; Top Component Info "C31" at 1616.58,1282.94 h3.15; Top Component Info "B30" at 1592.14,1298.73 h3.15; Top Component Info "A27" at 1568.39,1314.47 h3.15; Top Component Info "B28" at 1576.39,1298.73 h3.15; Top Component Info "AF2" at 1359.48,1101.84 h3.15; Top Component Info "F2" at 1362.63,1259.32 h3.15; Top Component Info "T2" at 1362.63,1180.58 h3.15; Top Component Info "AK6" at 1402.78,1062.5 h3.15; Top Component Info "B6" at 1404.33,1298.73 h3.15; Top Component Info "AK26" at 1559.09,1062.5 h3.15; Top Component Info "AK16" at 1480.35,1062.5 h3.15; Top Component Info "B26" at 1560.64,1298.73 h3.15; Top Component Info "B16" at 1481.9,1298.73 h3.15